# Altium PCB MainMaster20230302.PcbDoc (part 1 of 2) (continued)
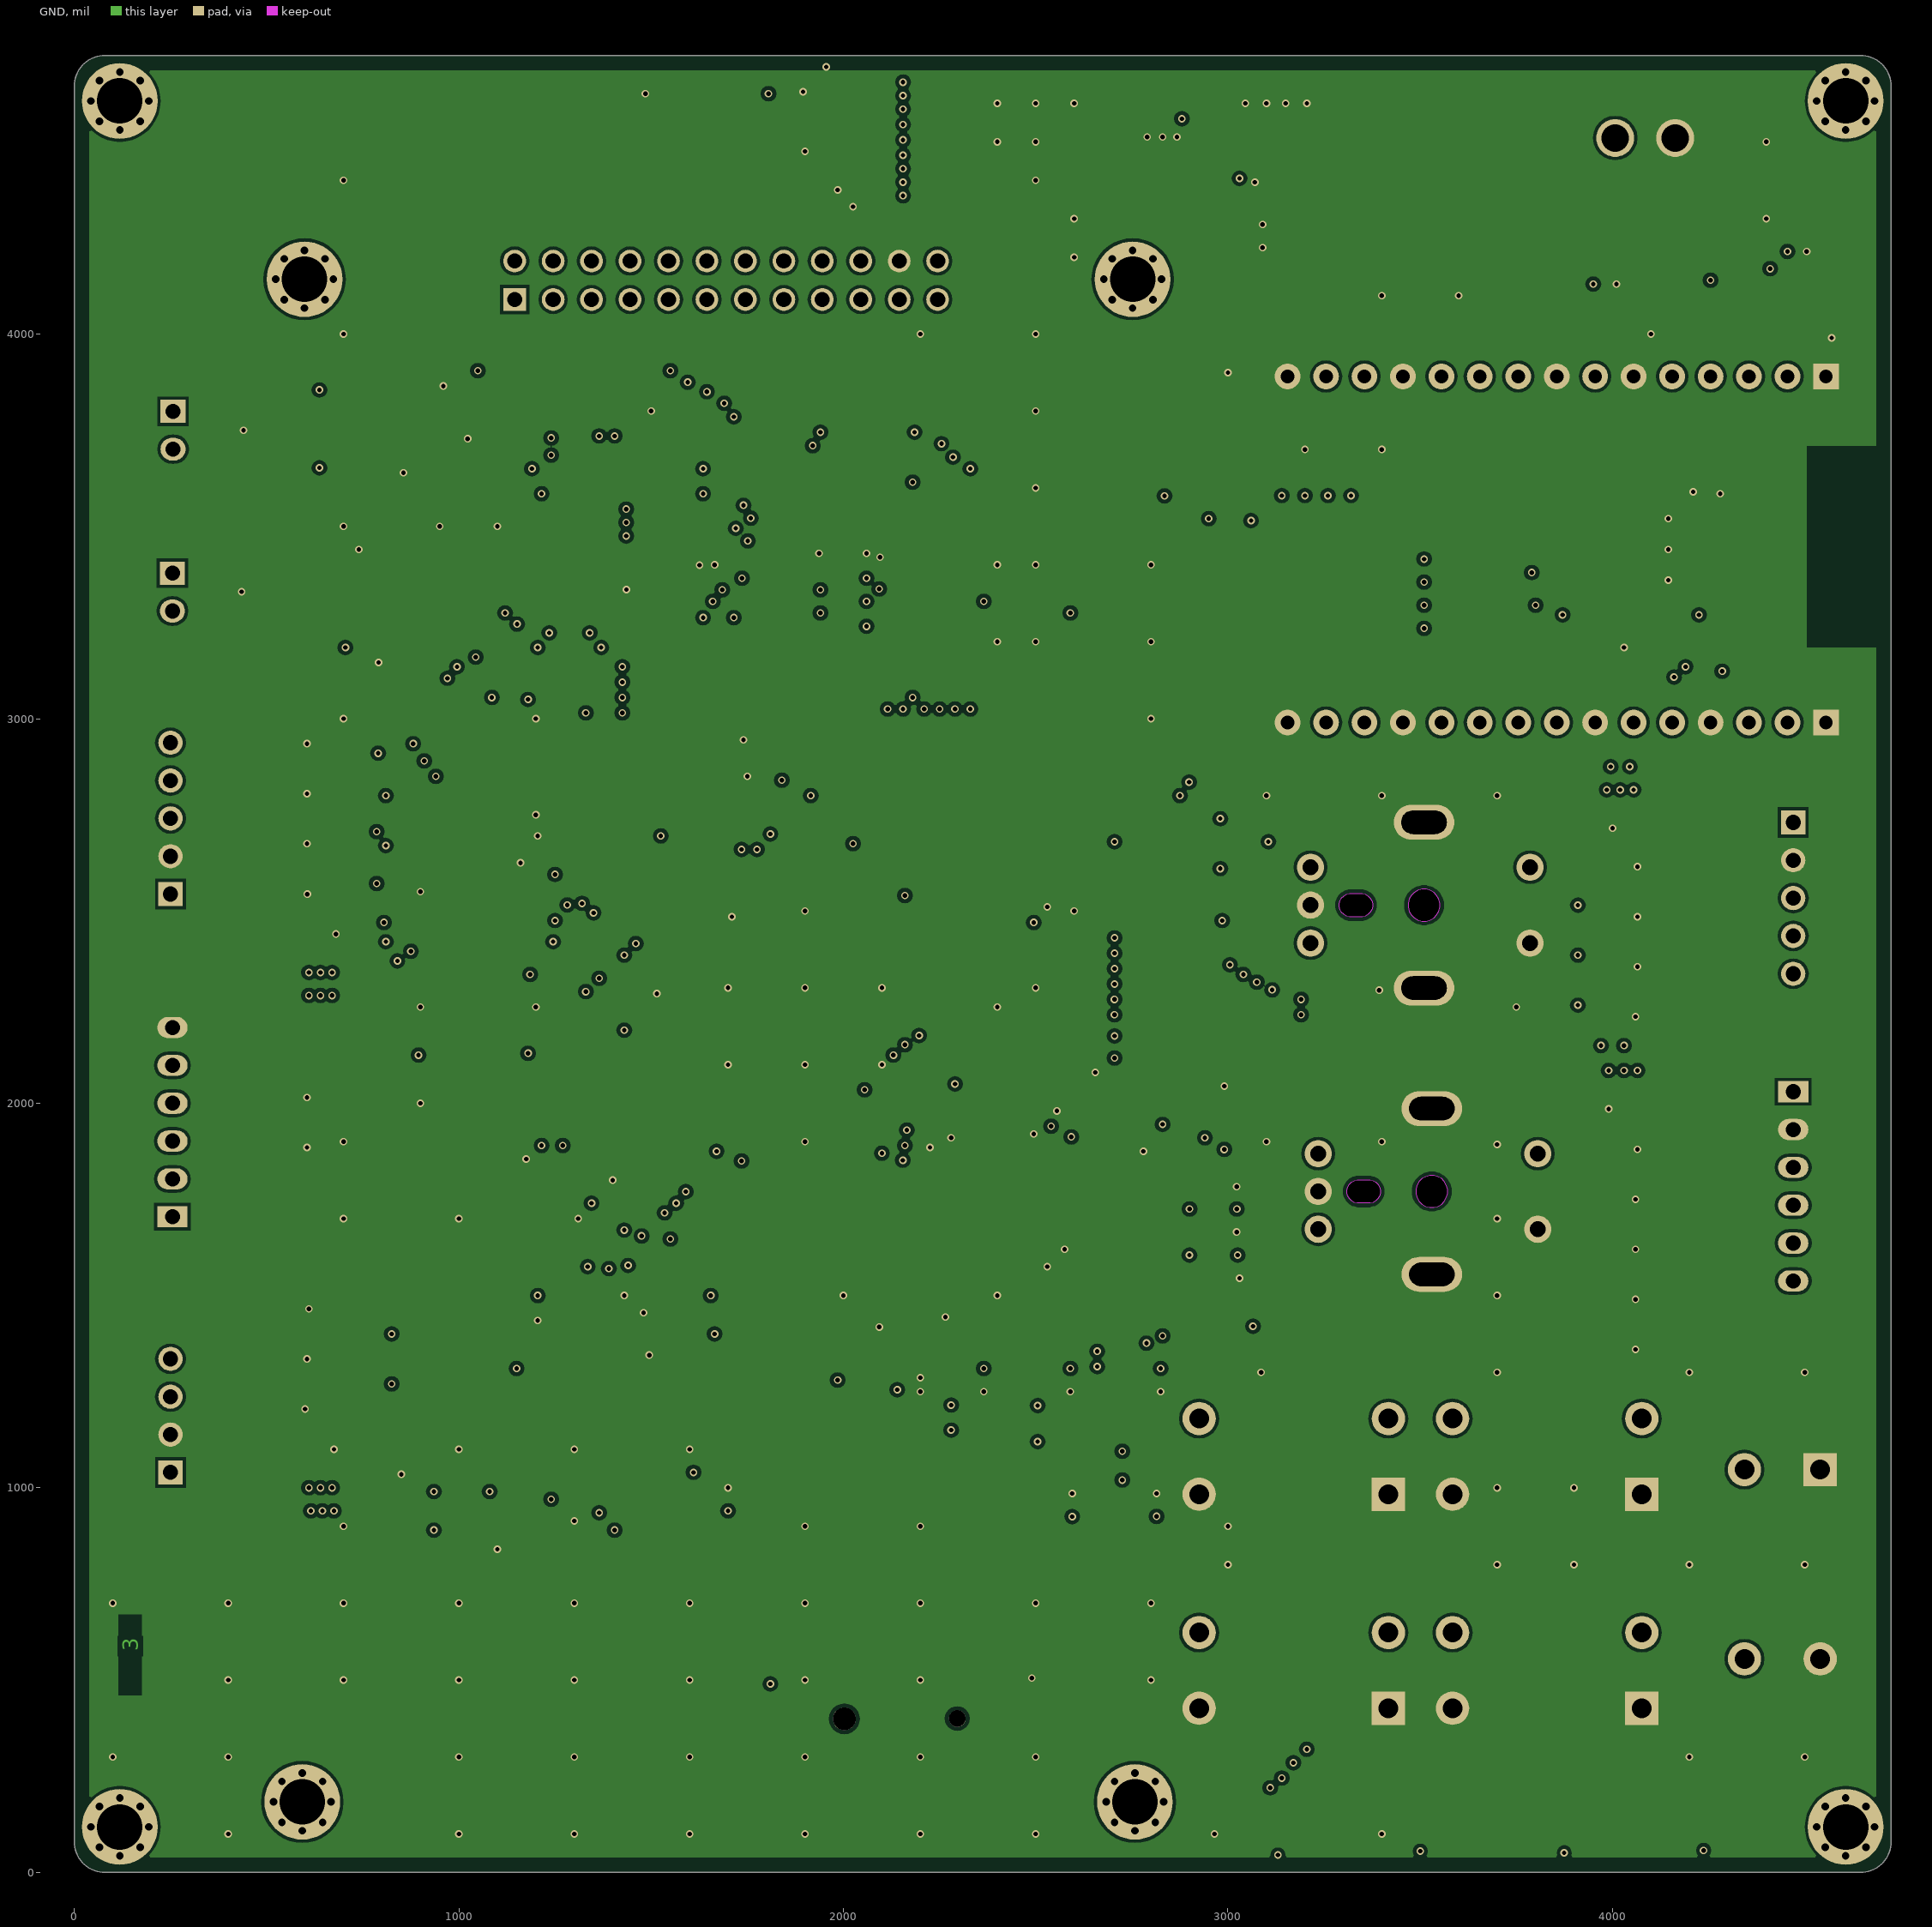
[diagram p3: GND]

## Layer stack, top to bottom
Top Solder: solder mask 0.4, Solder Resist, Dk 3.5
Top Layer: signal copper 1.4
Dielectric1: core 7.874, FR-4, Dk 4.2
VDD: signal copper 0.7
Dielectric2: prepreg 39.3701, FR-4, Dk 4.2
GND: signal copper 0.7
Dielectric3: core 7.874, FR-4, Dk 4.2
Bottom Layer: signal copper 1.4
Bottom Solder: solder mask 0.4, Solder Resist, Dk 3.5

## Board outline
0,78.74 ccw(c78.74,78.74) 78.74,0 4645.67,0 ccw(c4645.67,78.74) 4724.41,78.74 4724.41,4645.67 ccw(c4645.67,4645.67) 4645.67,4724.41 78.74,4724.41 ccw(c78.74,4645.67) 0,4645.67

## Design rules (kind name [scope] priority, off if disabled: settings)
Clearance [All] p1: gap=10 ignorepadtopadclearanceinfootprint=FALSE except(8: Arc-SMDPad Arc-Text Track-SMDPad Track-Text SMDPad-SMDPad SMDPad-THPad SMDPad-Via SMDPad-Fill SMDPad-Poly SMDPad-Region SMDPad-Text SMDPad-Hole THPad-THPad THPad-Via THPad-Fill THPad-Poly THPad-Region THPad-Text THPad-Hole Via-Text Fill-Text Poly-Text Region-Text Text-Text Text-Hole; 19: Via-Via)
PlaneConnect [All] p1: planeconnectstyle=Direct reliefexpansion=20 reliefentries=4 reliefconductorwidth=10 reliefairgap=10
PolygonConnect [All] p1: connectstyle=Direct reliefconductorwidth=10 reliefentries=4 polygonreliefangle="90 Angle" airgapwidth=10
RoutingVias [All] p1: holewidth=28 width=50 viastyle="Through Hole" minholewidth=8 minwidth=19.68 maxholewidth=28 maxwidth=50
SilkToSolderMaskClearance SilkscreenOverComponentPads [IsPad] p1: minsilkscreentomaskgap=10 clearancetoexposedcopper=TRUE
SolderMaskExpansion [All] p1: expansion=4 istentingtop=FALSE
Width [All] p1: maxlimit=50 minlimit=8 preferedwidth=10
28 further rules are at their usual default settings.

## Classes and differential pairs
component class Peripheral2: C3 C4 C5 C17 C23 C26 C30 C31 C32 C33 C34 C35 C36 C37 C38 C39 C40 C53 CN1 CN2 D3 D4 D5 D7 DC1 F15 L3 LED1 P1 P2 R2 R4 R5 R6 R7 R11 R12 R13 R14 R15 R16 R17 R18 R22 R50 R56 R57 R58 U1 U4 U5 U6 U7 U8 U9 U10 U11 U22
component class MainMaster: BT1 C1 C2 C6 C7 C8 C9 C10 C11 C12 C13 C14 C15 C16 C18 C19 C20 C21 C22 C24 C25 C27 C28 C29 C41 C43 C44 C45 C46 C47 C48 C49 C50 C52 CN3 CN4 CN5 CN6 CN8 D1 D2 D6 D8 D9 D10 D11 D12 D13 D14 D15 D16 D17 D18 D19 D21 D24 D25 D26 D27 D28 KEY1 L1 L2 LCM1 LED2 LED3 LED4 LED5 LG1 LG2 LG3 LG4 R3 R8 R9 R10 R19 R20 R21 R23 R24 R25 R26 R27 R28 R29 R30 R31 R32 R33 R34 R35 R36 R37 R38 R39 R40 R41 R42 R43 R44 R45 R46 R47 R48 R49 R51 R52 R53 R54 R55 R59 R60 R61 SW1 SW2 SW3 SW4 SW5 SW6 SW7 U2 U3 U12 U13 U14 U15 U16 U17 U19 U21 X1 X2

## Components (designator, comment, footprint, x,y, rotation, side; value= is the part's Value field where it differs from the comment)
BT1 "CR1220-2ZX" LI1220_1 2150,400 r270 top
C1 "CC0603KRX7R9BB104" C0603 2145,3395 r270 top value=100nF
C2 "CC0603KRX7R9BB104" C0603 1435,3405 r90 top value=100nF
C3 "VES101M1VTR-0607" "CE 6.3*7.7" 3295,4430 r90 top value=100uF
C4 "CC0603KRX7R9BB104" C0603 3025,4285 r180 top value=100nF
C5 "CC0603KRX7R9BB104" C0603 3025.59,4225 r180 top value=100nF
C6 "CC0603JRNPO9BN200" C0603 2285,1795 r135 top value=20pF
C7 "CC0603JRNPO9BN200" C0603 2448.1,1966.9 r315 top value=20pF
C8 "CC0603JRNPO9BN200" C0603 2171.9,1391.9 r225 top value=12.5pF
C9 "CC0603JRNPO9BN200" C0603 2258.1,1478.1 r45 top value=12.5pF
C10 "CL10A225KA8NNNC" C0603 1200,2580 r315 top value=2.2uF
C11 "CL10A225KA8NNNC" C0603 1780,2950 r315 top value=2.2uF
C12 "CC0603KRX7R9BB104" C0603 2524.98,3337.46 r180 top value=100nF
C13 "CC0603KRX7R9BB104" C1210 1574.63,1414.63 r45 top value=22uF
C14 "CC0603KRX7R9BB104" C0603 1526.9,1506.91 r45 top value=100nF
C15 "CC0603KRX7R9BB104" C0603 2605,2125 r135 top value=100nF
C16 "CC0603KRX7R9BB104" C0603 2510,2030 r135 top value=100nF
C17 "CC0603KRX7R9BB104" C1210 3200,4130 r180 top value=100nF
C18 "CC0603KRX7R9BB104" C0603 1480,1550 r45 top value=100nF
C19 "CC0603KRX7R9BB104" C0603 1353.1,1693.1 r45 top value=100nF
C20 "CC0603KRX7R9BB104" C0603 1223.1,1843.1 r45 top value=100nF
C21 "CC0603KRX7R9BB104" C0603 1255,2640 r315 top value=100nF
C22 "CC0603KRX7R9BB104" C0603 2485,2515 r225 top value=100nF
C23 "CC0603KRX7R9BB104" C0603 1635,1000 r180 top value=100nF
C24 "CC0603KRX7R9BB104" C0603 2965,1665 r0 top value=100nF
C25 "CC0603KRX7R9BB104" C0603 2965,1545 r0 top value=100nF
C26 "CC0603KRX7R9BB104" C0603 574.41,3855 r180 top value=100nF
C27 "CC0603KRX7R9BB104" C0603 3045,2680 r180 top value=100nF
C28 "CC0603KRX7R9BB104" C0603 3045,2550 r180 top value=100nF
C29 "CC0603KRX7R9BB104" C0603 3045,2415 r180 top value=100nF
C30 "CC0603KRX7R9BB104" C0603 2050,4375 r0 top value=100nF
C31 "CC0603KRX7R9BB104" C1210 2015,4625 r0 top value=100nF
C32 "CC0603KRX7R9BB104" C1210 2017.91,4480 r0 top value=100nF
C33 "CC0603KRX7R9BB104" C0603 2854.41,4590 r180 top value=100nF
C34 "CC0603KRX7R9BB104" C1210 2955,3640 r270 top value=100nF
C35 "CC0603KRX7R9BB104" C0603 3060,3605 r270 top value=100nF
C36 "CC0603KRX7R9BB104" C1210 4510,4065 r0 top value=100nF
C37 "CC0603KRX7R9BB104" C0603 4480.59,4170 r0 top value=100nF
C38 "CC0603KRX7R9BB104" C0603 765.59,3185 r180 top value=100nF
C39 "CC0603KRX7R9BB104" C0603 4010,4064.41 r270 top value=100nF
C40 "CC0603KRX7R9BB104" C0603 985,3905 r0 top value=100nF
C41 "CC0603KRX7R9BB104" C0603 2530,985 r0 top value=100nF
C43 "CC0603KRX7R9BB104" C0603 2764.41,1250 r0 top value=100nF
C44 "CC0603KRX7R9BB104" C1210 560,2440 r180 top value=22uF
C45 "CC0603KRX7R9BB104" C1210 4112.91,2715 r0 top value=22uF
C46 "CC0603KRX7R9BB104" C1210 4110,1985 r0 top value=22uF
C47 "CC0603KRX7R9BB104" C0603 2304.41,1250 r0 top value=100nF
C48 "CC0603KRX7R9BB104" C0603 2750,985 r0 top value=100nF
C49 "CC0603KRX7R9BB104" C0603 2530.59,1250 r0 top value=100nF
C50 "CC0603KRX7R9BB104" C1210 560,1100 r180 top value=22uF
C52 "CC0603KRX7R9BB104" C0603 2964.41,1785 r0 top value=100nF
C53 "CC0603KRX7R9BB104" C0603 2969.41,4590 r0 top value=100nF
CN1 "XH-2A_C20079" XH2.5-2 255,3329.21 r90 top
CN2 "XH-2A_C20079" XH2.5-2 256.6,3750 r90 top
CN3 "XH-6A" XH2.5-6P 255,1704.72 r90 top
CN4 "XH-5A" XH2.5-5P 250,2937.52 r90 top
CN5 "XH-6A" XH2.5-6P 4470,2030 r270 top
CN6 "XH-5A" XH2.5-5P 4470,2336.57 r270 top
CN8 "XH-4A" XH2.5-4P 250,1335.28 r90 top
D1 "LL4148_C84135" "MINI_MELF (LL34)" 2045,1345 r135 top
D2 "LL4148_C84135" "MINI_MELF (LL34)" 1976.64,1283.36 r135 top
D3 "SMBJ24CA" SMB 3780,4135 r270 top
D4 "SZNUP2105LT1G" SOT-23 568.13,3288.12 r90 top
D5 "SZNUP2105LT1G" SOT-23 568.13,3710.12 r90 top
D6 "GBLC08C-N" SOD-323_L1.8-W1.3-LS2.5-BI 4145,1880 r180 top
D7 "SS24" SMA 3570,4460.55 r90 top
D8 "GBLC08C-N" SOD-323_L1.8-W1.3-LS2.5-BI 525,2543.66 r0 top
D9 "GBLC08C-N" SOD-323_L1.8-W1.3-LS2.5-BI 4145,2615 r180 top
D10 "GBLC08C-N" SOD-323_L1.8-W1.3-LS2.5-BI 525,2675 r180 top
D11 "GBLC08C-N" SOD-323_L1.8-W1.3-LS2.5-BI 525,2805 r180 top
D12 "GBLC08C-N" SOD-323_L1.8-W1.3-LS2.5-BI 525,2935 r180 top
D13 "GBLC08C-N" SOD-323_L1.8-W1.3-LS2.5-BI 4145,2485 r0 top
D14 "GBLC08C-N" SOD-323_L1.8-W1.3-LS2.5-BI 4145,2355 r0 top
D15 "GBLC08C-N" SOD-323_L1.8-W1.3-LS2.5-BI 4140,2225 r0 top
D16 "GBLC08C-N" SOD-323_L1.8-W1.3-LS2.5-BI 4145,1360 r0 top
D17 "GBLC08C-N" SOD-323_L1.8-W1.3-LS2.5-BI 4145,1490 r0 top
D18 "GBLC08C-N" SOD-323_L1.8-W1.3-LS2.5-BI 4145,1620 r0 top
D19 "GBLC08C-N" SOD-323_L1.8-W1.3-LS2.5-BI 4145,1750 r0 top
D21 "GBLC08C-N" SOD-323_L1.8-W1.3-LS2.5-BI 525,1205 r0 top
D24 "GBLC08C-N" SOD-323_L1.8-W1.3-LS2.5-BI 530,1335 r180 top
D25 "GBLC08C-N" SOD-323_L1.8-W1.3-LS2.5-BI 530,1465 r180 top
D26 "GBLC08C-N" SOD-323_L1.8-W1.3-LS2.5-BI 525,2145 r180 top
D27 "GBLC08C-N" SOD-323_L1.8-W1.3-LS2.5-BI 524,2015 r180 top
D28 "GBLC08C-N" SOD-323_L1.8-W1.3-LS2.5-BI 525,1885 r180 top
DC1 "A3963WV-2P" CONN-TH_A3963WV-2P 4085,4510 r0 top
F15 "TLC-NSMD100/24" F1206 3780,4442.5 r270 top
L1 "CBM160808U121T" L0603 2660,2165 r135 top
L2 "CBM160808U121T" L0603 2565,2070 r135 top
L3 "YSPI1050-100M/10uH/6A" IND-SMD_L11.5-W10.0_SMMS1040 2446.05,4500 r180 top
LCM1 "LCM320X240MODE" "LCM2.8 MODE" 474.53,4260.87 r0 top locked
LED1 "17-21SYGC/S530-E3/TR8" "LED 0805G" 1590,4625 r180 top
LED2 "17-21SYGC/S530-E3/TR8" "LED 0805G" 3155,165 r180 top
LED3 "17-21SYGC/S530-E3/TR8" "LED 0805G" 3526.67,170 r180 top
LED4 "17-21SYGC/S530-E3/TR8" "LED 0805G" 3898.33,170 r180 top
LED5 "17-21SYGC/S530-E3/TR8" "LED 0805G" 4270,175 r180 top
LG1 "LAG" LAGVAL 118.11,4606.3 r0 top
LG2 "LAG" LAGVAL 4606.3,4606.3 r0 top
LG3 "LAG" LAGVAL 118.11,118.11 r0 top
LG4 "LAG" LAGVAL 4606.3,118.11 r0 top
P1 "KH-2.54FH-1X15P-H8.5" HDR2.54-M-LI-15P 3855,2990 r180 top
P2 "KH-2.54FH-1X15P-H8.5" HDR2.54-M-LI-15P 3855,3890 r180 top
R2 "0603WAF5113T5E" R0603 2915.59,4345 r180 top value=511kΩ
R3 "0603WAF5113T5E" R0603 2145,3279.41 r90 top value=10kΩ
R4 "0603WAF5113T5E" R0603 2854.41,4650 r180 top value=100kΩ
R5 "0603WAF5113T5E" R0603 3025,4345 r180 top value=105kΩ
R6 "0603WAF5113T5E" R0603 2969.41,4650 r180 top value=13.3kΩ
R7 "0603WAF5113T5E" R0603 1740,4625 r0 top value=10kΩ
R8 "0603WAF5113T5E" R0603 1270,1500 r180 top value=10kΩ
R9 "0603WAF5113T5E" R0603 1270,1435 r180 top value=10kΩ
R10 "0603WAF5113T5E" R0603 2525,3275 r180 top value=10kΩ
R11 "0603WAF5113T5E" R0603 640,3330 r90 top value=120Ω
R12 "0603WAF5113T5E" R0603 4255,4065 r90 top value=10kΩ
R13 "0603WAF5113T5E" R0603 3190,3235 r0 top value=22Ω
R14 "0603WAF5113T5E" R0603 3950,4065 r90 top value=10kΩ
R15 "0603WAF5113T5E" R0603 3190,3355 r0 top value=22Ω
R16 "0603WAF5113T5E" R0603 700,3855 r180 top value=60Ω
R17 "0603WAF5113T5E" R0603 3895,3305 r0 top value=10kΩ
R18 "0603WAF5113T5E" R0603 3190,3415 r180 top value=22Ω
R19 "0603WAF5113T5E" R0603 525,2210 r180 top value=22Ω
R20 "0603WAF5113T5E" R0603 524.41,2080 r180 top value=22Ω
R21 "0603WAF5113T5E" R0603 525.59,1950 r180 top value=22Ω
R22 "0603WAF5113T5E" R0603 3190,3295 r180 top value=22Ω
R23 "0603WAF5113T5E" R0603 2530.59,925 r180 top value=10kΩ
R24 "0603WAF5113T5E" R0603 3045,2740 r180 top value=10kΩ
R25 "0603WAF5113T5E" R0603 2765,1310 r180 top value=10kΩ
R26 "0603WAF5113T5E" R0603 4145,1815 r180 top value=22Ω
R27 "0603WAF5113T5E" R0603 525,2610 r0 top value=22Ω
R28 "0603WAF5113T5E" R0603 4145,2550 r180 top value=22Ω
R29 "0603WAF5113T5E" R0603 2304.41,1310 r180 top value=10kΩ
R30 "0603WAF5113T5E" R0603 4144.41,1685 r180 top value=22Ω
R31 "0603WAF5113T5E" R0603 525,2740 r0 top value=22Ω
R32 "0603WAF5113T5E" R0603 4150,2420 r180 top value=22Ω
R33 "0603WAF5113T5E" R0603 2750.59,925 r180 top value=10kΩ
R34 "0603WAF5113T5E" R0603 2530.59,1310 r180 top value=10kΩ
R35 "0603WAF5113T5E" R0603 4145,1555 r180 top value=22Ω
R36 "0603WAF5113T5E" R0603 525,2870 r0 top value=22Ω
R37 "0603WAF5113T5E" R0603 4145,2290 r180 top value=22Ω
R38 "0603WAF5113T5E" R0603 4145,1425 r180 top value=22Ω
R39 "0603WAF5113T5E" R0603 760.59,2610 r180 top value=10kΩ
R40 "0603WAF5113T5E" R0603 760.59,2740 r180 top value=10kΩ
R41 "0603WAF5113T5E" R0603 760.59,2870 r180 top value=10kΩ
R42 "0603WAF5113T5E" R0603 3155,90 r0 top value=10kΩ
R43 "0603WAF5113T5E" R0603 3934.41,2550 r0 top value=10kΩ
R44 "0603WAF5113T5E" R0603 2965,1845 r0 top value=10kΩ
R45 "0603WAF5113T5E" R0603 3525,95 r0 top value=10kΩ
R46 "0603WAF5113T5E" R0603 3935,2420 r0 top value=10kΩ
R47 "0603WAF5113T5E" R0603 3900,95 r0 top value=10kΩ
R48 "0603WAF5113T5E" R0603 4265,100 r0 top value=10kΩ
R49 "0603WAF5113T5E" R0603 3935,2290 r0 top value=10kΩ
R50 "0603WAF5113T5E" R0603 700,3650 r180 top value=60Ω
R51 "0603WAF5113T5E" R0603 525,1270 r0 top value=22Ω
R52 "0603WAF5113T5E" R0603 3045,2610 r180 top value=10kΩ
R53 "0603WAF5113T5E" R0603 530,1400 r0 top value=22Ω
R54 "0603WAF5113T5E" R0603 760.59,1270 r180 top value=10kΩ
R55 "0603WAF5113T5E" R0603 760.59,1400 r180 top value=10kΩ
R56 "0603WAF5113T5E" R0603 999.41,990 r0 top value=10kΩ
R57 "0603WAF5113T5E" R0603 1635,940 r180 top value=10kΩ
R58 "0603WAF5113T5E" R0603 1000,890 r180 top value=10kΩ
R59 "0603WAF5113T5E" R0603 2965.59,1725 r0 top value=10kΩ
R60 "0603WAF5113T5E" R0603 2965,1605 r0 top value=10kΩ
R61 "0603WAF5113T5E" R0603 3045,2475 r180 top value=10kΩ
SW1 "KH-6X6X5H-STM" "TSW DIP-12*12*7" 3171.06,1081.57 r180 top
SW2 "KH-6X6X5H-STM" "TSW DIP-12*12*7" 3171.06,525 r180 top
SW3 "KH-6X6X5H-STM" "TSW DIP-12*12*7" 4441.57,801.06 r270 top
SW4 "KH-6X6X5H-STM" "TSW DIP-12*12*7" 3830,525 r180 top
SW5 "KH-6X6X5H-STM" "TSW DIP-12*12*7" 3830,1081.57 r180 top
SW6 "EC11K1524406" SW-TH_EC11K1524406 3520.16,1770.55 r270 top
SW7 "EC11K1524406" SW-TH_EC11K1524406 3500,2515 r270 top
U1 "TPS54302DDCR" SOT23-6 2970,4475 r270 top
U2 "STM32F407ZGT6" STM32F407ZET6_TQFP144 1780,2240 r45 top
U3 "XM8A51216" IS62WV51216BLL_TSOP44 1775,3415 r90 top
U4 "TLV1117-33CDCYR" SOT223 2695,3710 r180 top
U5 "SP3485EN-L/TR" SOP8_SP3485 850,3325 r90 top
U6 "ESP32-C3-MINI-1-H4" WIFIM-SMD_ESP32-C3-MINI-1 4285.28,3443.5 r270 top
U7 "0603L035YR" F0603 605,3205 r180 top
U8 "0603L035YR" F0603 600,3450 r180 top
U9 "TJA1050T/CM,118" SOP8_TJA1050 970,3750 r90 top
U10 "0603L035YR" F0603 690,3715 r180 top
U11 "0603L035YR" F0603 690,3790 r180 top
U12 "0603L035YR" F0603 4146,2085 r0 top
U13 "0603L035YR" F0603 525,2340 r180 top
U14 "0603L035YR" F0603 4145,2815 r0 top
U15 "0603L035YR" F0603 4146,2150 r0 top
U16 "0603L035YR" F0603 525,2280 r180 top
U17 "0603L035YR" F0603 4145,2875 r0 top
U19 "0603L035YR" F0603 525,1000 r180 top
U21 "0603L035YR" F0603 525,940 r180 top
U22 "W25Q128JVSIQ" SOIC8 1315,915 r0 top
X1 "X32258MSB4SI" "OSC 3225-4P" 2370,1880 r225 top value=8MHz
X2 "X321532768KGD2SI" CR_3215_32768 2160,1500 r45 top value=32.768kHz

## Footprints (in the part's own frame and the unit in brackets; to place one, negate y for a bottom-side part, rotate by r counter-clockwise, add the part's x,y. Pads: shape width x height; smd on the part's side, far side on the other; paste and mask are expansions set on the pad)
C0603 [mil] "无极性贴片电容"
  rect 30x30 smd: 1(-25.59,0) 2(25.59,0)
  silkscreen extent -52,-26 52,26, body extent -31,-16 31,16, height 32
C1210 [mil] "无极性贴片电容"
  rect 60x100 smd: 1(-57.09,0) 2(57.09,0)
  silkscreen extent -102,-63 102,63, body extent -63,-51 63,51, height 60
"CE 6.3*7.7" [mm] "贴片电解电容，直径6.3mm，高7.7mm"
  rect 2.7x1 smd: 1(3,0)
  oval 2.7x1 smd: 2(-3,0)
  silkscreen extent -3.3,-3.3 3.3,3.3, body extent -3.5,-3.3 3.5,3.3, height 7.7
CONN-TH_A3963WV-2P [mm]
  round 2.5 hole 1.8 mask+0.051: 1(-1.98,0) 2(1.98,0)
  silkscreen extent -3.96,-4.8 3.98,4, body extent -3.98,-4.4 4.03,4.16, height 10.5
CR_3215_32768 [mm]
  rect 1x1.8 smd: 1(-1.25,0) 2(1.25,0)
  silkscreen extent -2.03,-1.19 2.03,1.19, body extent -1.54,-0.76 1.66,0.74, height 0.86
F0603 [mil] "贴片保险丝"
  rect 35x35 smd: 1(-35,0) 2(35,0)
  silkscreen extent -65,-25 65,25, body extent -33,-17 33,17, height 11
F1206 [mil] "贴片保险丝"
  rect 50x65 smd: 1(-67.5,0) 2(67.5,0)
  silkscreen extent -105,-45 105,45, body extent -63,-32 63,32, height 34
HDR2.54-M-LI-15P [mm] "排母，15脚"
  rect 1.7x1.7 hole 0.9: 1(-17.78,0)
  round 1.7 hole 0.9: 2(-15.24,0) 3(-12.7,0) 4(-10.16,0) 5(-7.62,0) 6(-5.08,0) 7(-2.54,0) 8(0,0) 9(2.54,0) 10(5.08,0) 11(7.62,0) 12(10.16,0) 13(12.7,0) 14(15.24,0) 15(17.78,0)
  silkscreen extent -19.05,-1.27 19.05,1.27, body extent -19.05,-1.27 19.05,1.27, height 8.5
IND-SMD_L11.5-W10.0_SMMS1040 [mm]
  rect 2.924x3.5 smd mask+0.051: 1(-5.18,0) 2(5.18,0)
  silkscreen extent -5.74,-5.08 5.75,5.08
IS62WV51216BLL_TSOP44 [mm]
  rect 0.5x1.5 smd: 1(-8.4,-5.75) 2(-7.6,-5.75) 3(-6.8,-5.75) 4(-6,-5.75) 5(-5.2,-5.75) 6(-4.4,-5.75) 7(-3.6,-5.75) 8(-2.8,-5.75) 9(-2,-5.75) 10(-1.2,-5.75) 11(-0.4,-5.75) 12(0.4,-5.75) 13(1.2,-5.75) 14(2,-5.75) 15(2.8,-5.75) 16(3.6,-5.75) 17(4.4,-5.75) 18(5.2,-5.75) 19(6,-5.75) 20(6.8,-5.75) 21(7.6,-5.75) 22(8.4,-5.75) 23(8.4,5.75) 24(7.6,5.75) 25(6.8,5.75) 26(6,5.75) 27(5.2,5.75) 28(4.4,5.75) 29(3.6,5.75) 30(2.8,5.75) 31(2,5.75) 32(1.2,5.75) 33(0.4,5.75) 34(-0.4,5.75) 35(-1.2,5.75) 36(-2,5.75) 37(-2.8,5.75) 38(-3.6,5.75) 39(-4.4,5.75) 40(-5.2,5.75) 41(-6,5.75) 42(-6.8,5.75) 43(-7.6,5.75) 44(-8.4,5.75)
  silkscreen extent -9.17,-5.28 9.17,4.7, body extent -9.25,-5.97 9.27,5.98, height 1.23
L0603 [mil]
  rect 38x35 smd: 1(-28,0) 2(38.87,0)
  silkscreen extent -60,-31 71,30, body extent -24,-15 36,15, height 20
LAGVAL [mm]
  round 1 hole 0.5: 0(-1.905,0) 0(-1.347,-1.347) 0(-1.347,1.347) 0(0,-1.905) 0(0,1.905) 0(1.347,-1.347) 0(1.347,1.347) 0(1.905,0)
  round 5 hole 3: 0(0,0)
  silkscreen extent -2.71,-2.71 2.68,2.7
"LCM2.8 MODE" [mm]
  round 1 hole 0.5: 0(1.095,-103.57) 0(1.245,-3) 0(1.653,-104.917) 0(1.653,-102.223) 0(1.803,-4.347) 0(1.803,-1.653) 0(3,-105.475) 0(3,-101.665) 0(3.15,-4.905) 0(3.15,-1.095) 0(4.347,-104.917) 0(4.347,-102.223) 0(4.497,-4.347) 0(4.497,-1.653) 0(4.905,-103.57) 0(5.055,-3) 0(55.945,-3) 0(56.095,-103.57) 0(56.503,-4.347) 0(56.503,-1.653) 0(56.653,-104.917) 0(56.653,-102.223) 0(57.85,-4.905) 0(57.85,-1.095) 0(58,-105.475) 0(58,-101.665) 0(59.197,-4.347) 0(59.197,-1.653) 0(59.347,-104.917) 0(59.347,-102.223) 0(59.755,-3) 0(59.905,-103.57)
  round 5 hole 3: 0(3,-103.57) 0(3.15,-3) 0(57.85,-3) 0(58,-103.57)
  rect 1.5x1.5 hole 1: 1(17.03,-4.34)
  round 1.5 hole 1: 2(17.03,-1.8) 3(19.57,-4.34) 4(19.57,-1.8) 5(22.11,-4.34) 6(22.11,-1.8) 7(24.65,-4.34) 8(24.65,-1.8) 9(27.19,-4.34) 10(27.19,-1.8) 11(29.73,-4.34) 12(29.73,-1.8) 13(32.27,-4.34) 14(32.27,-1.8) 15(34.81,-4.34) 16(34.81,-1.8) 17(37.35,-4.34) 18(37.35,-1.8) 19(39.89,-4.34) 20(39.89,-1.8) 21(42.43,-4.34) 22(42.43,-1.8) 23(44.97,-4.34) 24(44.97,-1.8)
  silkscreen extent 0,-106.57 61,0, body extent 15.76,-5.61 46.24,-0.53, height 8.5
"LED 0805G" [mil] "绿色0805LED                              淘宝ID:黄晶宝石"
  oct 60x50 smd: 1(45,0)
  rect 60x50 smd: 2(-45,0)
  silkscreen extent -85,-35 100,35, body extent -39,-25 39,25, height 30
LI1220_1 [mm]
  round 1.1 hole 1.1 unplated: 0(0,3.708)
  round 1.5 hole 1.5 unplated: 0(0.025,-3.75)
  oct 2.5x6 smd: 1(0,-8.6)
  oval 2.5x6 smd: 2(0,8.6)
  silkscreen extent -7.62,-7.57 7.62,7.57, body extent -7.5,-9.79 7.49,9.94, height 4.1
"MINI_MELF (LL34)" [mm] "1.5*3.4mm(直径，脚距）"
  oct 1.37x1.62 smd: 1(1.855,0)
  rect 1.37x1.62 smd: 2(-1.855,0)
  silkscreen extent -0.76,-0.8 0.78,0.8, body extent -1.7,-0.75 1.7,0.75, height 1.5
"OSC 3225-4P" [mm] "3.2*2.5*0.7mm(长宽高)"
  rect 1.3x1.2 smd: 1(-1.05,-0.85) 2(1.05,-0.85) 3(1.05,0.85) 4(-1.05,0.85)
  silkscreen extent -2.03,-1.75 1.91,1.65, body extent -1.6,-1.24 1.6,1.26, height 0.86
R0603 [mil] "1/10W贴片电阻"
  rect 30x30 smd: 1(-25.59,0) 2(25.59,0)
  silkscreen extent -51,-26 51,26, body extent -31,-16 32,16, height 16
SMA [mm] "4.5x2.6*2.2mm（长宽高，不包括引脚）"
  rect 2.2x1.75 smd: 1(2.3,0) 2(-2.3,0)
  silkscreen extent -2.7,-1.52 3.56,1.52, body extent -2.53,-1.3 2.58,1.3, height 2.15